# Altium PCB AATB-V2.PcbDoc (part 4 of 5)
Units mm, origin at the board's own origin, x right, y up, seen from the top; angles counter-clockwise.
Board outline 236 x 177 mm, 2 copper layers (Top Layer, Bottom Layer), stack 1.571 mm thick; 302 components, 313 nets, 1275 pads, 1266 vias.
Unrouted connection lines stored in the file: 1.
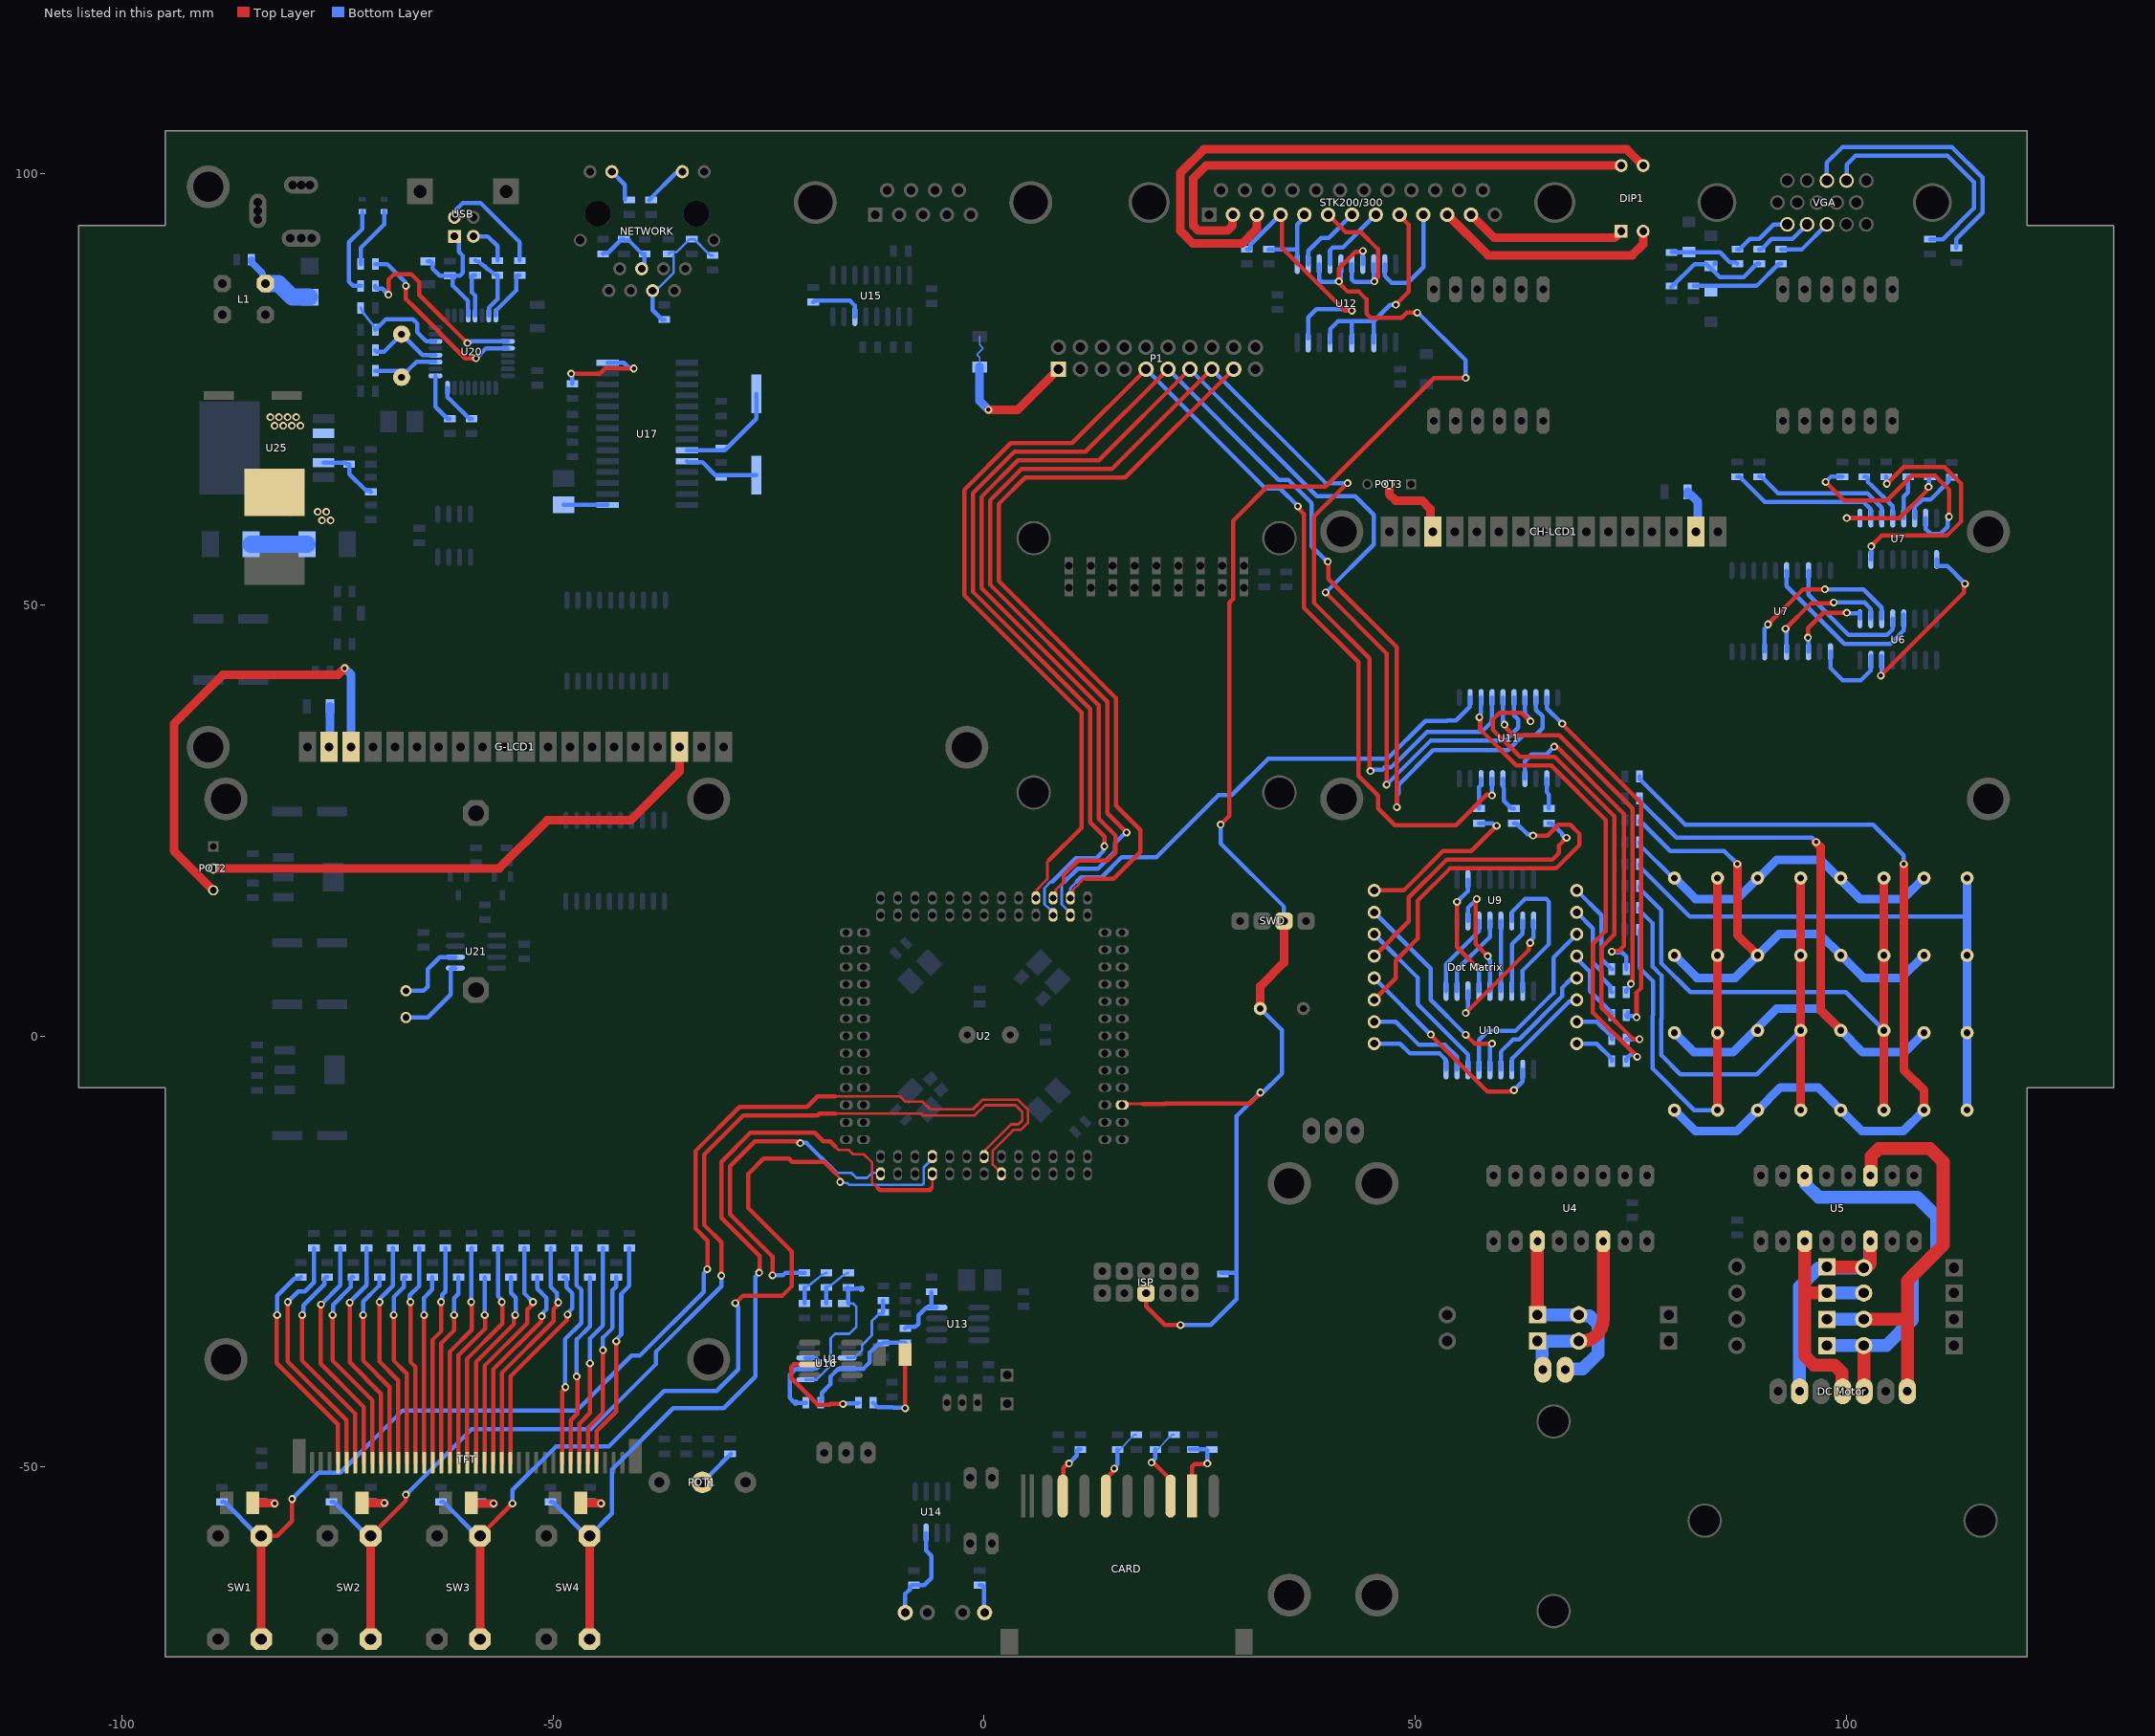
[diagram p4: the nets of this part, all layers, seen from the top]

## Via types
v1: diameter 0.9, hole 0.5, Top Layer to Bottom Layer, tented both sides, 1265 vias
v2: diameter 0.9, hole 0.5, Top Layer to Bottom Layer, 1 vias

## Nets (pads, with @x,y where several pads share a name; then routed paths per layer and width w, separated by ;. In a path a pad name is that pad's centre, name@x,y a point inside that pad or via, vN(x,y) a via of type N, cw(c..) or ccw(c..) an arc to the next point about the centre after c; other vN are vias at no path point) (continued)
NetC18_2: C18.2 R53.2 TP2.1 U16.5 | length 17.5
  Bottom Layer w0.3: U16.5@-20.692,-39.869 -20.683,-39.86 -19.441,-39.86 -17.784,-38.203 -17.784,-35.056 -17.272,-34.544 -15.627,-34.544 -14.808,-33.724 -14.808,-31.42 -15.21,-31.018 C18.2@-15.752,-31.018
  Bottom Layer w0.5: R53.2@-16.132,-29.29 -15.752,-29.29 -14.266,-29.29 TP2.1@-14.228,-29.328 ; C18.2@-15.752,-31.018 R53.2@-15.752,-29.162
NetC19_1: C19.1 R47.1 R49.2 U16.3 | length 14.2
  Bottom Layer w0.5: C19.1@-18.966,-42.261 -18.816,-42.111 -18.816,-41.379 -17.842,-40.405 -17.842,-39.534 -16.926,-38.618 -16.738,-38.618 -16.719,-38.599 -14.009,-38.599 -13.242,-37.832 -13.242,-36.708 -12.674,-36.14 -12.274,-35.74 -11.838,-35.74 R49.2@-11.688,-35.59 R47.1@-9.148,-35.59
NetC19_2: C19.2 TP3.1 U16.6 U16.7 | length 10.8
  Bottom Layer w0.5: TP3.1@-21.94,-42.536 -21.94,-42.498 -22.002,-42.436 -22.08,-42.436 -22.542,-41.974 -22.542,-39.306 -21.854,-38.618 -20.711,-38.618 -20.673,-38.58 -19.433,-38.58 -19.082,-38.228 -19.082,-37.814 -19.548,-37.348 -20.673,-37.348 U16.7@-20.692,-37.329 ; TP3.1@-21.848,-42.536 C19.2@-20.666,-42.536
NetC20_2: C20.2 R53.1 R54.2 | length 4.9
  Bottom Layer w0.3: R54.2@-18.292,-29.162 -17.767,-28.912 -16.277,-27.712 R53.1@-15.752,-27.462
  Bottom Layer w0.5: C20.2@-18.292,-31.018 R54.2@-18.292,-29.162
NetC21_2: C21.2 U15.6 | length 6.4
  Bottom Layer w0.5: C21.2@-19.816,85.138 -19.666,85.288 -17.975,85.288 -17.965,85.298 -15.825,85.298 -15.815,85.288 -15.56,85.288 -15.009,84.737 -15.009,83.467 U15.6@-14.99,83.448
NetC22_2: C22.2 R54.1 R55.2 | length 4.9
  Bottom Layer w0.3: R55.2@-20.832,-29.162 -20.307,-28.912 -18.817,-27.712 R54.1@-18.292,-27.462
  Bottom Layer w0.5: C22.2@-20.832,-31.018 R55.2@-20.832,-29.162
NetC23_2: C23.2 U17.24 X3.2 | length 8.7
  Bottom Layer w0.5: U17.24@-34.442,66.684 -34.342,66.584 -32.686,66.584 -31.174,65.072 X3.2@-26.42,65.072
NetC24_2: C24.2 U17.23 X3.1 | length 12.4
  Bottom Layer w0.5: U17.23@-34.442,67.954 -30.484,67.954 -30.09,67.954 -26.42,71.624 X3.1@-26.42,74.472
NetC25_1: C25.1 L4.1 NETWORK.4 R58.2 R59.2 | length 15.9
  Bottom Layer w0.3: NETWORK.4@-38.453,86.467 -38.122,86.467 -37.751,86.837 -37.709,86.837 -36.021,88.526 L4.1@-36.021,90.509 ; L4.1@-36.58,90.726 -36.376,90.93 -35.673,90.93 -34.177,92.426 R58.2@-33.903,92.426 -33.628,92.426 -32.025,90.823 -32.025,90.81 -31.775,90.56 C25.1@-31.5,90.56
  Bottom Layer w0.5: NETWORK.4@-38.453,86.467 -38.453,84.196 -37.363,83.106 R59.2@-37.088,83.106
NetC27_2: C27.2 NETWORK.5 R61.1 R64.1 | length 8.1
  Bottom Layer w0.5: C27.2@-44.2,90.726 -44.05,90.876 -43.612,90.876 -42.062,92.426 R64.1@-41.787,92.426 -41.637,92.276 -41.199,92.276 -39.649,90.726 R61.1@-39.374,90.726 -39.374,89.633 -39.723,89.284 NETWORK.5@-39.723,89.007
NetC28_1: C28.1 U17.1 | length 5.1
  Bottom Layer w0.5: C28.1@-48.772,61.602 -48.77,61.604 U17.1@-43.692,61.604
NetC29_2: C29.2 L6.1 U20.4 USB.1 | length 15.3
  Bottom Layer w0.5: L6.1@-64.52,89.878 -64.219,89.878 -63.994,89.653 -63.994,89.018 -63.379,88.403 -63.359,88.403 -63.142,88.186 C29.2@-61.622,88.186 ; USB.1@-61.44,92.766 -60.94,92.266 -60.94,90.982 -60.457,90.499 -60.457,88.527 -60.798,88.186 C29.2@-61.622,88.186 ; U20.4@-59.84,83.584 -59.85,83.594 -59.85,85.272 -60.058,85.48 -61.622,87.044 C29.2@-61.622,88.186
NetC33_2: C33.2 U20.27 X2.1 | length 7.4
  Bottom Layer w0.5: C33.2@-70.616,77.183 -67.568,77.183 -66.877,77.183 -65.876,78.184 U20.27@-63.64,78.184
NetC34_2: C34.2 U20.28 X2.2 | length 8.9
  Bottom Layer w0.5: C34.2@-70.616,79.553 -70.616,79.534 -70.466,79.384 -69.6,79.384 -67.7,81.284 X2.2@-67.568,81.416 -66.044,79.892 -65.136,78.984 U20.28@-63.64,78.984
NetC35_2: C35.2 R100.2 U20.30 | length 12.2
  Bottom Layer w0.3: R100.2@-72.316,84.464 -72.066,83.939 -70.866,82.449 C35.2@-70.616,81.924
  Bottom Layer w0.5: C35.2@-70.616,81.924 -69.374,83.166 -66.27,83.166 -66.044,82.94 -65.773,82.669 -65.773,81.653 -64.714,80.594 -63.65,80.594 U20.30@-63.64,80.584
NetC51_2: C51.2 D26.2 L1.3 | length 9.2
  Bottom Layer w0.8: C51.2@-85.006,90.052 -85.006,89.777 -83.69,88.461 -83.69,87.641 L1.3@-83.356,87.307
  Bottom Layer w2: L1.3@-83.356,87.307 -81.866,87.307 -80.261,85.702 D26.2@-78.256,85.702
NetCARD_1: CARD.1 R35.2 R36.2@24.228,-47.958 | length 8.9
  Top Layer w0.5: CARD.1@24.132,-53.364 24.132,-49.941 24.425,-49.648 25.856,-49.648 v1(25.904,-49.6)
  Bottom Layer w0.5: R36.2@23.872,-47.958 25.738,-47.958 25.904,-48.124 v1(25.904,-49.6)
NetCARD_2: CARD.2 R37.2 R39.2 | length 9.1
  Top Layer w0.5: v1@19.816,-49.648 21.632,-51.464 CARD.2@21.632,-53.364
  Bottom Layer w0.2: R39.2@19.861,-47.958 20.136,-47.958 20.77,-47.324 20.77,-47.273 21.136,-46.907 21.136,-46.892 21.77,-46.258 R37.2@22.045,-46.258
  Bottom Layer w0.5: v1(19.424,-49.476) 19.424,-49.436 19.861,-48.999 R39.2@19.861,-47.958
NetCARD_5: CARD.5 R40.2 R41.2 | length 8.9
  Top Layer w0.5: CARD.5@14.132,-53.364 14.132,-51.323 15.016,-50.439 15.016,-50.262 v1(15.092,-50.186)
  Bottom Layer w0.2: R41.2@15.494,-47.958 15.769,-47.958 16.403,-47.324 16.403,-47.273 16.769,-46.907 16.769,-46.892 17.403,-46.258 R40.2@17.678,-46.258
  Bottom Layer w0.5: v1(15.092,-50.186) 15.092,-50.077 15.494,-49.676 R41.2@15.494,-47.958
NetCARD_7: CARD.7 R42.2 | length 6.5
  Top Layer w0.5: CARD.7@9.132,-53.364 9.182,-53.314 9.182,-50.114 9.21,-50.114 9.734,-49.59 v1(9.842,-49.59)
  Bottom Layer w0.5: v1(9.842,-49.59) 10.755,-48.677 10.755,-48.108 10.905,-47.958 R42.2@11.172,-47.958
NetCH-LCD1_3: CH-LCD1.3 POT3.2 | length 9.4
  Top Layer w1: POT3.2@47,64 47,62.86 47.748,62.112 50.796,62.112 51.768,61.14 51.768,58.732 CH-LCD1.3@52,58.5
NetCH-LCD1_15: CH-LCD1.15 R16.1 | length 5.4
  Bottom Layer w1: R16.1@81.61,63.128 81.635,63.103 81.635,62.778 81.96,62.778 82.804,61.934 82.804,58.744 CH-LCD1.15@82.56,58.5
NetD1_2: D1.2 R114.2 | length 4.2
  Top Layer w1: D1.2@-84.856,-54.175 -82.345,-54.175 v1(-82.3,-54.22)
  Bottom Layer w0.5: R114.2@-83.824,-54.054 -83.741,-54.137 -82.383,-54.137 v1(-82.3,-54.22)
NetD2_2: D2.2 R103.2 | length 4.2
  Top Layer w1: D2.2@-72.156,-54.175 v1(-69.555,-54.175)
  Bottom Layer w0.5: R103.2@-71.124,-54.054 -71.064,-54.114 -69.615,-54.114 v1(-69.555,-54.175)
NetD3_2: D3.2 R86.2 | length 4.2
  Top Layer w1: D3.2@-59.456,-54.175 -59.411,-54.22 v1(-56.9,-54.22)
  Bottom Layer w0.5: R86.2@-58.424,-54.054 -58.341,-54.137 -56.983,-54.137 v1(-56.9,-54.22)
NetD4_2: D4.2 R67.2 | length 3.7
  Top Layer w1: D4.2@-46.756,-54.175 -46.734,-54.197 -44.447,-54.197 v1(-44.424,-54.22)
  Bottom Layer w0.5: R67.2@-45.724,-54.054 -45.641,-54.137 -44.507,-54.137 v1(-44.424,-54.22)
NetD5_2: D5.2 R52.1 | length 11
  Top Layer w0.5: D5.2@-9.148,-36.143 -9.148,-36.881 -9.144,-36.885 v1(-9.144,-43.18)
  Bottom Layer w0.5: R52.1@-12.87,-42.536 -12.324,-43.082 -10.594,-43.082 -10.573,-43.103 -9.221,-43.103 v1(-9.144,-43.18)
NetD6_2: D6.2 D8.1 Stepper.2 U4.14 | length 21.3
  Top Layer w1.5: D8.1@68.966,-35.392 69.27,-35.392 ccw(c69.27,-32.852) 71.81,-32.852 U4.14@71.81,-23.81
  Bottom Layer w1.5: Stepper.2@64.732,-38.337 64.732,-35.938 D6.2@64.186,-35.392 64.732,-35.392 D8.1@68.966,-35.392
NetD7_2: D7.2 D9.1 Stepper.1 U4.11 | length 24
  Top Layer w1.5: D7.2@64.186,-32.344 64.188,-32.342 64.188,-23.812 U4.11@64.19,-23.81
  Bottom Layer w1.5: D7.2@64.186,-32.344 D9.1@68.966,-32.344 69.062,-32.44 70.208,-32.44 71.216,-33.448 71.216,-36.848 69.428,-38.636 67.484,-38.636 Stepper.1@67.408,-38.712
NetD10_2: "DC Motor.3" D10.2 D14.1 U5.6 | length 47.4
  Top Layer w1.5: D14.1@102.042,-35.908 102.069,-35.935 102.069,-41.193 102.096,-41.22
  Bottom Layer w1.5: U5.6@95.19,-16.19 95.29,-16.29 95.29,-17.193 96.787,-18.69 108.23,-18.69 110.502,-20.962 110.502,-24.994 107.692,-27.804 107.692,-32.884 104.668,-35.908 D14.1@102.042,-35.908 D10.2@97.77,-35.908
NetD11_2: "DC Motor.1" D11.2 D15.1 U5.3 | length 49.3
  Top Layer w1.5: D15.1@102.042,-32.86 107.096,-32.86 ; U5.3@102.81,-16.19 102.91,-16.09 102.91,-13.951 103.789,-13.072 109.724,-13.072 111.248,-14.596 111.248,-24.248 107.096,-28.4 107.096,-32.86 ; 107.096,-41.22 107.096,-32.86
  Bottom Layer w1.5: D11.2@97.77,-32.86 D15.1@102.042,-32.86
NetD12_2: "DC Motor.4" D12.2 D16.1 U5.11 | length 27.5
  Top Layer w1.5: U5.11@95.19,-23.81 95.19,-29.812 ; D12.2@97.77,-29.812 95.19,-29.812 ; 99.596,-41.22 99.5,-41.124 99.5,-39.037 98.622,-38.158 96.252,-38.158 95.19,-37.096 95.19,-29.812
  Bottom Layer w1.5: D12.2@97.77,-29.812 D16.1@102.042,-29.812
NetD13_2: "DC Motor.6" D13.2 D17.1 U5.14 | length 31.7
  Top Layer w1.5: D13.2@97.77,-26.764 97.834,-26.828 101.979,-26.828 D17.1@102.042,-26.891 ccw(c102.042,-26.123) 102.81,-26.123 U5.14@102.81,-23.81
  Bottom Layer w1.5: 94.596,-41.22 94.596,-29.079 96.784,-26.891 D17.1@102.042,-26.891 102.042,-26.756 102.71,-26.088 102.71,-23.91 U5.14@102.81,-23.81
NetD18_1: D18.1 R10.2 R15.1 | length 11.2
  Bottom Layer w0.5: R15.1@82.292,87.004 89.611,87.004 92.181,89.574 R10.2@92.456,89.574
NetD19_1: D19.1 R12.2 R18.1 | length 8.5
  Bottom Layer w0.5: R18.1@79.752,90.902 85.374,90.902 86.552,89.724 87.226,89.724 R12.2@87.376,89.574 ; R18.1@79.806,91.052 R18.1@80.177,91.052
NetD20_1: D20.1 R11.2 R17.1 | length 12.8
  Bottom Layer w0.5: R17.1@79.724,86.866 82.402,89.544 83.82,89.544 85.36,88.004 88.071,88.004 89.641,89.574 R11.2@89.916,89.574 ; D20.1@84.7,89.544 D20.1@84.824,89.668
NetD23_2: D23.2 R102.2 | length 7.2
  Bottom Layer w0.5: R102.2@-72.316,89.544 -72.316,91.4 -69.6,94.116 D23.2@-69.6,95.64
NetD24_2: D24.2 R101.2 | length 10.3
  Bottom Layer w0.5: R101.2@-72.316,87.004 -72.333,87.021 -73.173,87.021 -73.664,87.512 -73.664,92.084 -72.14,93.608 D24.2@-72.14,95.64
NetD25_2: D25.2 D27.2 L2.1 U25.2 | length 11.1
  Top Layer w2: L2.1@-80.776,64.588 L2.1@-82.3,63.064 L2.1@-80.562,61.326
  Bottom Layer w2: D27.2@-85.03,57.032 D25.2@-78.554,57.032
  other v1: -76.8,59.8 -75.8,59.8 -77.3,60.8 -76.3,60.8 -82.3,70.8 -81.3,70.8 -80.3,70.8 -79.3,70.8 -82.8,71.8 -81.8,71.8 -80.8,71.8 -79.8,71.8
NetDIP1_1: DIP1.1 STK200/300.12 | length 18.9
  Top Layer w1: STK200/300.12@56.48,95.28 59.168,92.592 73.148,92.592 DIP1.1@73.91,93.354
NetDIP1_2: DIP1.2 STK200/300.11 | length 26.7
  Top Layer w1: STK200/300.11@53.719,95.28 58.439,90.56 75.18,90.56 76.45,91.83 DIP1.2@76.45,93.354
NetDIP1_3: DIP1.3 STK200/300.3 | length 74.2
  Top Layer w1: STK200/300.3@31.631,95.28 31.631,93.607 29.959,91.935 24.228,91.935 22.764,93.399 22.764,100.12 25.494,102.85 74.574,102.85 DIP1.3@76.45,100.974
NetDIP1_4: DIP1.4 STK200/300.2 | length 61.8
  Top Layer w1: STK200/300.2@28.87,95.28 28.813,95.223 28.813,94.021 28.227,93.435 24.85,93.435 24.264,94.021 24.264,99.499 25.739,100.974 DIP1.4@73.679,100.974
"NetDot Matrix_1": "Dot Matrix.1" R29.1 | length 8.5
  Bottom Layer w0.5: 68.745,9.27 68.745,8.993 69.173,8.564 69.173,8.56 70.282,7.451 70.282,5.221 72.806,2.697 R29.1@72.806,2.422
"NetDot Matrix_2": "Dot Matrix.2" R28.1 | length 5.1
  Bottom Layer w0.5: 68.745,1.65 71.059,1.65 72.806,-0.097 R28.1@72.806,-0.372
"NetDot Matrix_3": "Dot Matrix.3" R30.1 | length 10.9
  Bottom Layer w0.5: 68.745,14.35 70.624,12.471 70.624,8.524 71.624,7.524 71.624,6.802 72.656,5.77 72.656,5.239 R30.1@72.806,5.089
"NetDot Matrix_4": "Dot Matrix.4" R27.1 | length 5.1
  Bottom Layer w0.5: 68.745,-0.89 71.059,-0.89 72.806,-2.637 R27.1@72.806,-2.912
"NetDot Matrix_5": "Dot Matrix.5" R32.1 | length 33
  Top Layer w0.5: 45.255,9.27 49.272,13.287 49.272,16.073 53.639,20.44 65.914,20.44 66.699,21.225 66.699,22.135 v1(67.56,22.996)
  Bottom Layer w0.5: R32.1@65.528,24.686 65.803,24.686 67.052,23.437 67.052,23.289 67.059,23.289 67.352,22.996 v1(67.56,22.996)
"NetDot Matrix_6": "Dot Matrix.6" R31.1 | length 10.8
  Bottom Layer w0.5: 68.745,16.89 71.624,14.011 71.624,8.938 R31.1@72.806,7.756
"NetDot Matrix_7": "Dot Matrix.7" R33.1 | length 45.5
  Top Layer w0.5: 45.255,4.19 47.748,6.683 47.748,8.772 50.288,11.312 50.288,15.675 54.053,19.44 66.328,19.44 69.084,22.196 69.084,23.431 67.995,24.52 66.615,24.52 65.342,23.247 v1(63.68,23.247)
  Bottom Layer w0.5: 45.255,4.19 45.26,4.195 ; R33.1@61.464,24.686 61.739,24.686 63.031,23.394 63.533,23.394 v1(63.68,23.247)
"NetDot Matrix_8": "Dot Matrix.8" R34.1 | length 19.5
  Top Layer w0.5: 45.255,16.89 48.674,16.89 53.224,21.44 56.516,21.44 v1(59.457,24.381)
  Bottom Layer w0.5: R34.1@57.4,24.686 58.944,24.686 59.249,24.381 v1(59.457,24.381)
"NetDot Matrix_9": "Dot Matrix.9" U10.18 | length 10.2
  Bottom Layer w0.5: 45.255,-0.89 48.266,-0.89 49.408,-2.032 52.832,-2.032 53.571,-2.771 53.571,-3.865 U10.18@53.59,-3.884
"NetDot Matrix_10": "Dot Matrix.10" U10.17 | length 12.8
  Bottom Layer w0.5: 45.255,1.65 47.758,1.65 50.44,-1.032 53.488,-1.032 54.841,-2.385 54.841,-3.865 U10.17@54.86,-3.884
"NetDot Matrix_11": "Dot Matrix.11" U10.16 | length 20.2
  Bottom Layer w0.5: 45.255,11.81 50.288,6.777 50.288,3.692 56.13,-2.15 U10.16@56.13,-3.884
"NetDot Matrix_12": "Dot Matrix.12" U10.15 | length 22.3
  Bottom Layer w0.5: U10.15@57.4,-3.884 57.4,-0.445 58.457,0.612 61.652,0.612 66.04,5 66.04,9.105 68.745,11.81
"NetDot Matrix_13": "Dot Matrix.13" U10.14 | length 25.2
  Top Layer w0.5: v1(55.876,0.136) 56.892,-0.88 v1(58.924,-0.88)
  Bottom Layer w0.5: 45.255,14.35 51.812,7.793 51.812,4.2 v1(55.876,0.136) ; U10.14@58.67,-3.884 58.67,-1.134 v1(58.924,-0.88)
"NetDot Matrix_14": "Dot Matrix.14" U10.13 | length 15
  Bottom Layer w0.5: U10.13@59.94,-3.884 59.94,-1.823 61.375,-0.388 62.066,-0.388 67.04,4.586 67.04,5.572 68.002,6.534 68.549,6.534 68.745,6.73
"NetDot Matrix_15": "Dot Matrix.15" U10.12 | length 11.6
  Bottom Layer w0.5: U10.12@61.21,-3.884 61.229,-3.865 61.229,-2.639 67.862,3.994 68.549,3.994 68.745,4.19
"NetDot Matrix_16": "Dot Matrix.16" U10.11 | length 24.6
  Top Layer w0.5: v1(51.812,0.168) 51.812,0.136 58.416,-6.468 60.993,-6.468 61.105,-6.357 61.387,-6.357 v1(61.464,-6.28)
  Bottom Layer w0.5: 45.255,6.73 51.812,0.173 v1(51.812,0.168) ; v1(61.464,-6.28) 62.461,-5.283 62.461,-3.903 U10.11@62.48,-3.884
NetF1_2: F1.2 P1.1 | length 15.5
  Top Layer w1: v1(0.508,72.644) 3.924,72.644 P1.1@8.632,77.352
  Bottom Layer w1: F1.2@-0.512,77.609 -0.512,73.664 v1(0.508,72.644)
NetG-LCD1_3: G-LCD1.3 POT2.2 | length 61.6
  Top Layer w1: POT2.2@-89.412,19.44 -56.252,19.44 -50.664,25.028 -41.012,25.028 -35.32,30.72 G-LCD1.3@-35.32,33.54
NetG-LCD1_18: G-LCD1.18 POT2.3 | length 53.1
  Top Layer w1: POT2.3@-89.412,16.9 -93.984,21.472 -93.984,36.204 -88.278,41.91 -74.93,41.91 v1(-74.168,42.672)
  Bottom Layer w1: v1(-74.168,42.672) -73.42,41.924 G-LCD1.18@-73.42,33.54
NetG-LCD1_19: G-LCD1.19 R110.1 | length 4.7
  Bottom Layer w1: G-LCD1.19@-75.96,33.54 -75.895,33.605 -75.895,38.211 R110.1@-75.87,38.236
NetIR-R_2: IR-R.2 R46.2 U14.3 | length 12.3
  Bottom Layer w0.5: IR-R.2@-9.144,-67.6 -9.144,-64.718 -8.557,-64.131 -8.557,-63.856 -8.407,-63.706 -6.95,-63.706 -6.1,-62.856 -6.1,-60.316 -6.735,-59.681 U14.3@-6.735,-57.636
NetIR-T_1: IR-T.1 R43.2 | length 4
  Bottom Layer w0.5: R43.2@-0.512,-63.706 -0.237,-63.706 -0.087,-63.856 -0.087,-64.062 0,-64.149 IR-T.1@0,-67.312
NetNETWORK_10: NETWORK.10 R60.2 | length 5.2
  Bottom Layer w0.5: R60.2@-38.86,96.983 -38.695,97.148 -35.782,100.061 -35.199,100.061 NETWORK.10@-35.003,100.257
NetNETWORK_11: NETWORK.11 R63.2@-41.152,96.998 | length 3.9
  Bottom Layer w0.5: NETWORK.11@-43.173,100.257 -41.66,98.744 R63.2@-41.66,96.998
NetPOT1_3: POT1.3 R57.2 | length 4.7
  Bottom Layer w0.5: POT1.3@-32.675,-51.775 -31.049,-50.149 -31.048,-50.149 -30.075,-49.177 -30.075,-49.175 R57.2@-29.366,-48.466
NetR1_1: R1.1 VGA.13 | length 31.8
  Bottom Layer w0.5: VGA.13@97.754,99.228 97.754,101.31 99.544,103.1 112.292,103.1 115.824,99.568 115.824,95.504 112.772,92.452 R1.1@112.772,91.41
NetR2_2: R2.2 U7.6@107.946,60.08 | length 7.2
  Bottom Layer w0.5: U7.6@107.946,60.08 107.965,60.099 107.965,61.369 108.847,62.251 109.804,62.251 111.839,64.286 111.839,64.668 111.989,64.818 R2.2@112.264,64.818
NetR3_1: R3.1 U7.1@101.596,60.08 | length 13.9
  Top Layer w0.5: v1(100.072,60.08) 106.168,60.08 109.357,63.269 109.357,63.393 109.557,63.593 v1(109.557,63.701)
  Bottom Layer w0.5: v1(100.072,60.08) U7.1@101.596,60.08 ; v1(109.557,63.701) 109.633,63.778 109.633,64.785 R3.1@109.724,64.876
NetR4_1: R4.1 VGA.14 | length 27.9
  Bottom Layer w0.5: VGA.14@100.044,99.228 100.044,101.06 101.084,102.1 111.768,102.1 114.808,99.06 114.808,96.012 111.222,92.426 R4.1@109.724,92.426
NetR5_1: R5.1 U7.5@106.676,60.08 | length 5
  Bottom Layer w0.5: U7.5@106.676,60.08 106.676,62.563 107.184,63.071 R5.1@107.184,64.876
NetR6_1: R6.1 U7.15@102.866,55.28 | length 28.6
  Top Layer w0.5: v1(102.908,56.822) 102.908,56.851 104.105,58.048 111.692,58.048 113.306,59.662 113.306,64.118 111.403,66.021 106.674,66.021 v1(104.721,64.067)
  Bottom Layer w0.5: U7.15@102.866,55.28 102.885,55.299 102.885,56.799 v1(102.908,56.822) ; R6.1@104.644,64.876 104.682,64.838 104.682,64.106 v1(104.721,64.067)
NetR7_1: R7.1 U7.4@105.406,60.08 | length 6.3
  Bottom Layer w0.5: R7.1@102.104,64.876 102.379,64.876 102.529,64.726 102.529,64.266 102.822,63.973 102.856,63.973 105.387,61.442 105.387,60.099 U7.4@105.406,60.08
NetR10_1: R10.1 VGA.3 | length 6.5
  Bottom Layer w0.5: R10.1@92.456,91.274 94.881,91.274 VGA.3@97.754,94.148
NetR11_1: R11.1 VGA.2 | length 6.7
  Bottom Layer w0.5: R11.1@89.916,91.274 90.191,91.274 91.373,92.456 93.773,92.456 VGA.2@95.464,94.148
NetR12_1: R12.1 VGA.1 | length 7.1
  Bottom Layer w0.5: R12.1@87.376,91.274 87.651,91.274 88.833,92.456 89.916,92.456 91.574,94.114 93.141,94.114 VGA.1@93.174,94.148 VGA.1@93.039,94.148
NetR13_1: R13.1 U7.3@104.136,60.08 | length 16.9
  Bottom Layer w0.5: R13.1@89.912,64.876 90.187,64.876 92.09,62.973 102.442,62.973 104.117,61.298 104.117,60.099 U7.3@104.136,60.08
NetR14_1: R14.1 U7.2@102.866,60.08 | length 18.1
  Bottom Layer w0.5: R14.1@87.372,64.876 87.647,64.876 90.55,61.973 101.988,61.973 102.847,61.114 102.847,60.099 U7.2@102.866,60.08
NetR19_2: R19.2 S2.2 S3.2 S4.2 S5.2 | length 53.2
  Top Layer w1: S2.2@85.078,-8.595 S3.2@85.078,0.38 S4.2@85.078,9.354 S5.2@85.078,18.329
  Bottom Layer w0.5: R19.2@76.03,12.328 76.03,7.93 77.581,6.379 77.581,2.407 77.566,2.392 77.566,-3.774 82.387,-8.595 S2.2@85.078,-8.595
NetR20_2: R20.2 S6.2 S7.2 S8.2 S9.2 | length 64.3
  Top Layer w1: S6.2@94.73,-8.595 S7.2@94.73,0.644 S8.2@94.73,9.354 S9.2@94.73,18.329
  Bottom Layer w0.5: R20.2@76.03,14.868 76.03,14.593 77.566,13.057 77.566,8.025 78.581,7.01 78.581,1.992 78.566,1.977 78.566,-2.234 80.768,-4.436 89.65,-4.436 S7.2@94.73,0.644
NetR21_2: R21.2 S10.2 S11.2 S12.2 S13.2 | length 66
  Top Layer w1: S10.2@104.382,-8.595 S11.2@104.382,0.644 S12.2@104.382,9.354 S13.2@104.382,18.329
  Bottom Layer w0.5: R21.2@76.03,17.408 76.03,17.133 78.566,14.597 78.566,8.439 81.925,5.08 99.946,5.08 S11.2@104.382,0.644
NetR22_2: R22.2 S14.2 S15.2 S16.2 S17.2 | length 67.6
  Bottom Layer w0.5: R22.2@76.03,19.948 76.03,19.673 81.851,13.852 114.024,13.852 114.034,13.842
  Bottom Layer w1: S14.2@114.034,-8.595 S15.2@114.034,0.38 S16.2@114.034,9.354 114.034,13.842 S17.2@114.034,18.329
NetR23_2: R23.2 S5.1 S9.1 S13.1 S17.1 | length 40.7
  Bottom Layer w0.5: R23.2@76.03,22.488 76.03,22.213 79.914,18.329 S5.1@80.078,18.329
  Bottom Layer w1: S5.1@80.078,18.329 82.523,15.884 87.372,15.884 91.944,20.456 97.024,20.456 101.596,15.884 106.589,15.884 S17.1@109.034,18.329